# Altium PCB CSU RevA_ASCII.PcbDoc (part 1 of 5) (continued)
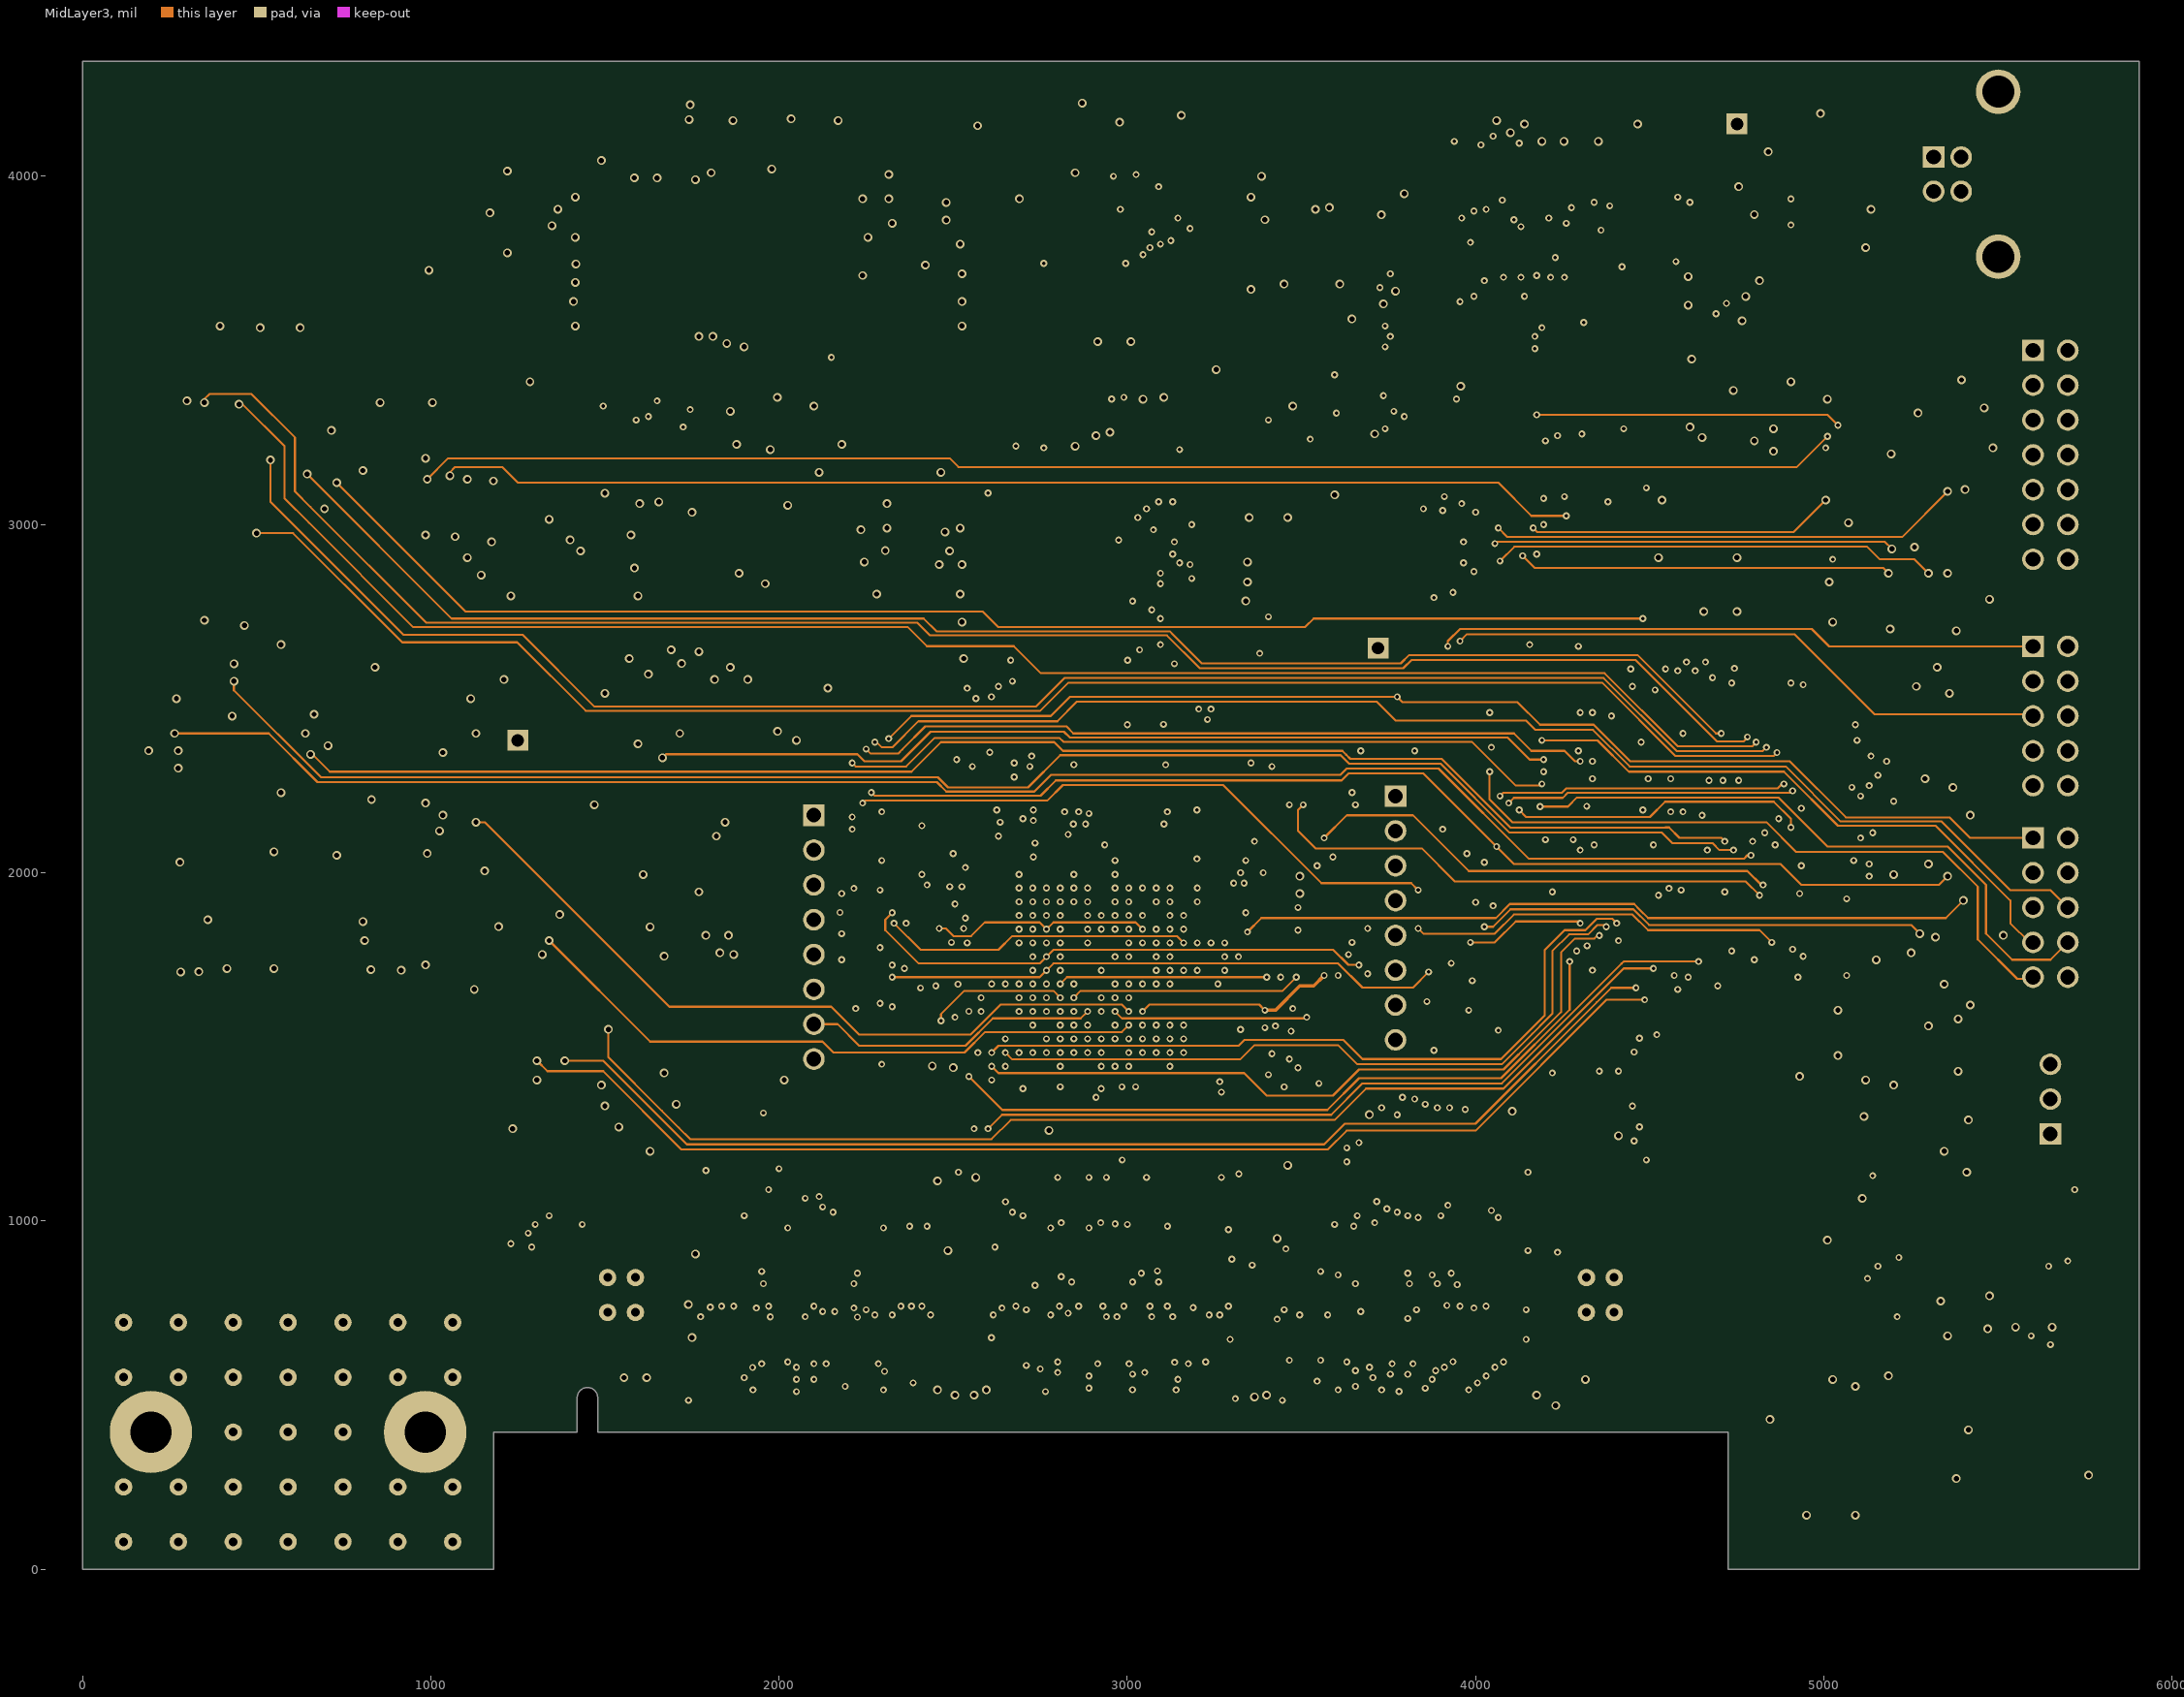
[diagram p7: MidLayer3]

## Layer stack, top to bottom
Top Layer: signal copper 1.4
Dielectric: core 12.6, FR-4, Dk 4.8
InternalPlane1: plane copper 1.4, net GND
Dielectric: prepreg 12.6, FR-4, Dk 4.8
MidLayer1: signal copper 1.4
Dielectric: core 12.6, FR-4, Dk 4.8
InternalPlane2: plane copper 1.4, net VCC
Dielectric: prepreg 12.6, FR-4, Dk 4.8
MidLayer2: signal copper 1.4
Dielectric: core 12.6, FR-4, Dk 4.8
InternalPlane3: plane copper 1.4, net (Multiple Nets)
Dielectric: prepreg 12.6, FR-4, Dk 4.8
MidLayer3: signal copper 1.4
Dielectric: core 12.6, FR-4, Dk 4.8
Bottom Layer: signal copper 1.4

## Board outline
0,0 0,4330.71 5905.51,4330.71 5905.51,0 4724.41,0 4724.41,393.7 1480.31,393.7 1479.51,394.51 1479.51,492.13 ccw(c1449.98,492.13) 1420.45,492.13 1420.45,393.7 1181.1,393.7 1181.1,0

## Design rules (kind name [scope] priority, off if disabled: settings)
Clearance [All] p0: scope1count=1 scope1_0_kind=Board scope1_0_value=Board scope2count=1 scope2_0_kind=Board scope2_0_value=Board commentlength=0 gap=6
Clearance Clearance_1 [All] p0 off: scope1count=1 scope1_0_kind=Board scope1_0_value=Board scope2count=1 scope2_0_kind=Board scope2_0_value=Board commentlength=67 gap=7 // Protel DXP Scope 1 Expression Was: (InComponentClass('PITCH7'))
Clearance Clearance_2 [All] p0 off: scope1count=1 scope1_0_kind=Board scope1_0_value=Board scope2count=1 scope2_0_kind=Board scope2_0_value=Board commentlength=58 gap=6 // Protel DXP Scope 1 Expression Was: (InComponent('U9'))
Clearance Clearance_2 [(InComponent('U9'))] p1: gap=6
Clearance Clearance_1 [(InComponentClass('PITCH7'))] p2: gap=7
Clearance [All] p3: gap=6
ComponentClearance ComponentClearance_3 [All] p0 off: scope1count=1 scope1_0_kind=Board scope1_0_value=Board scope2count=1 scope2_0_kind=Board scope2_0_value=Board commentlength=83 gap=-10 collisioncheckmode=3 // Protel DXP Scope 1 Expression Was: (HasFootprint('fid') AND InComponent('U11'))
ComponentClearance [All] p0: scope1count=1 scope1_0_kind=Board scope1_0_value=Board scope2count=1 scope2_0_kind=Board scope2_0_value=Board commentlength=0 gap=10 collisioncheckmode=3
ComponentClearance ComponentClearance_1 [All] p0 off: scope1count=1 scope1_0_kind=Board scope1_0_value=Board scope2count=1 scope2_0_kind=Board scope2_0_value=Board commentlength=61 gap=0 collisioncheckmode=3 // Protel DXP Scope 2 Expression Was: (HasFootprint('0805'))
ComponentClearance ComponentClearance_2 [All] p0 off: scope1count=1 scope1_0_kind=Board scope1_0_value=Board scope2count=1 scope2_0_kind=Board scope2_0_value=Board commentlength=61 gap=5 collisioncheckmode=3 // Protel DXP Scope 2 Expression Was: (HasFootprint('0603'))
ComponentClearance ComponentClearance_3 [(HasFootprint('fid') AND InComponent('U11'))] p1: gap=-10 collisioncheckmode=3 verticalgap=10
ComponentClearance ComponentClearance_2 [(HasFootprint('0603')) vs (HasFootprint('0603'))] p2: gap=5 collisioncheckmode=3 verticalgap=10
ComponentClearance ComponentClearance_1 [(HasFootprint('0805')) vs (HasFootprint('0805'))] p3: gap=0 collisioncheckmode=3 verticalgap=10
ComponentClearance [All] p4: gap=10 collisioncheckmode=3 verticalgap=10
DiffPairsRouting [All] p0: scope1count=1 scope1_0_kind=Board scope1_0_value=Board scope2count=1 scope2_0_kind=Board scope2_0_value=Board commentlength=0
FanoutControl Fanout_BGA [All] p0 off: scope1count=1 scope1_0_kind=Board scope1_0_value=Board scope2count=1 scope2_0_kind=Board scope2_0_value=Board commentlength=69 // Protel DXP Scope 1 Expression Was: IsBGA   Fanout_BGA (Default Rule)
FanoutControl Fanout_LCC [All] p0 off: scope1count=1 scope1_0_kind=Board scope1_0_value=Board scope2count=1 scope2_0_kind=Board scope2_0_value=Board commentlength=69 // Protel DXP Scope 1 Expression Was: IsLCC   Fanout_LCC (Default Rule)
FanoutControl Fanout_SOIC [All] p0 off: scope1count=1 scope1_0_kind=Board scope1_0_value=Board scope2count=1 scope2_0_kind=Board scope2_0_value=Board commentlength=71 // Protel DXP Scope 1 Expression Was: IsSOIC   Fanout_SOIC (Default Rule)
FanoutControl Fanout_Small [All] p0 off: scope1count=1 scope1_0_kind=Board scope1_0_value=Board scope2count=1 scope2_0_kind=Board scope2_0_value=Board commentlength=84 // Protel DXP Scope 1 Expression Was: (CompPinCount < 5)   Fanout_Small (Default Rule)
FanoutControl Fanout_Default [All] p0: scope1count=1 scope1_0_kind=Board scope1_0_value=Board scope2count=1 scope2_0_kind=Board scope2_0_value=Board commentlength=30 // Fanout_Default (Default Rule)
Height [All] p0: scope1count=1 scope1_0_kind=Board scope1_0_value=Board scope2count=1 scope2_0_kind=Board scope2_0_value=Board commentlength=0
HoleSize [All] p0: scope1count=1 scope1_0_kind=Board scope1_0_value=Board scope2count=1 scope2_0_kind=Board scope2_0_value=Board commentlength=0 absolutevalues=TRUE maxlimit=300 minlimit=1 maxpercent=80.000 minpercent=20.000
HoleSize [All] p1: absolutevalues=TRUE maxlimit=300 minlimit=1 maxpercent=80.000 minpercent=20.000
LayerPairs [All] p0: scope1count=1 scope1_0_kind=Board scope1_0_value=Board scope2count=1 scope2_0_kind=Board scope2_0_value=Board commentlength=0 enforce=TRUE
PasteMaskExpansion [All] p0: scope1count=1 scope1_0_kind=Board scope1_0_value=Board scope2count=1 scope2_0_kind=Board scope2_0_value=Board commentlength=0 expansion=0
PlaneClearance PlaneClearance_1 [All] p0 off: scope1count=1 scope1_0_kind=Board scope1_0_value=Board scope2count=1 scope2_0_kind=Board scope2_0_value=Board commentlength=44 clearance=10 // Protel DXP Scope 1 Expression Was: isvia
PlaneClearance [All] p0: scope1count=1 scope1_0_kind=Board scope1_0_value=Board scope2count=1 scope2_0_kind=Board scope2_0_value=Board commentlength=0 clearance=20
PlaneClearance PlaneClearance_1 [isvia] p1: clearance=10
PlaneClearance [All] p2: clearance=20
PlaneConnect PlaneConnect_1 [All] p0: scope1count=1 scope1_0_kind=Board scope1_0_value=Board scope2count=1 scope2_0_kind=Board scope2_0_value=Board commentlength=0 planeconnectstyle=Relief reliefexpansion=20 reliefentries=4 reliefconductorwidth=10 reliefairgap=10
PlaneConnect [All] p0 off: scope1count=1 scope1_0_kind=Board scope1_0_value=Board scope2count=1 scope2_0_kind=Board scope2_0_value=Board commentlength=44 planeconnectstyle=Direct reliefexpansion=20 reliefentries=4 reliefconductorwidth=10 reliefairgap=10 // Protel DXP Scope 1 Expression Was: isvia
PlaneConnect [isvia] p1: planeconnectstyle=Direct reliefexpansion=20 reliefentries=4 reliefconductorwidth=10 reliefairgap=10
PlaneConnect PlaneConnect_1 [All] p2: planeconnectstyle=Relief reliefexpansion=20 reliefentries=4 reliefconductorwidth=10 reliefairgap=10
PolygonConnect [All] p0: scope1count=1 scope1_0_kind=Board scope1_0_value=Board scope2count=1 scope2_0_kind=Board scope2_0_value=Board commentlength=0 connectstyle=Relief reliefconductorwidth=50 reliefentries=4 polygonreliefangle="90 Angle"
PolygonConnect [All] p1: connectstyle=Relief reliefconductorwidth=50 reliefentries=4 polygonreliefangle="90 Angle"
RoutingCorners [All] p0: scope1count=1 scope1_0_kind=Board scope1_0_value=Board scope2count=1 scope2_0_kind=Board scope2_0_value=Board commentlength=0 cornerstyle=45-Degree minsetback=100 maxsetback=100
RoutingLayers [All] p0: scope1count=1 scope1_0_kind=Board scope1_0_value=Board scope2count=1 scope2_0_kind=Board scope2_0_value=Board commentlength=0 top layer=Automatic mid layer 1=Automatic mid layer 2=Automatic mid layer 3=Automatic bottom layer=Automatic
RoutingPriority [All] p0: scope1count=1 scope1_0_kind=Board scope1_0_value=Board scope2count=1 scope2_0_kind=Board scope2_0_value=Board commentlength=0
RoutingTopology [All] p0: scope1count=1 scope1_0_kind=Board scope1_0_value=Board scope2count=1 scope2_0_kind=Board scope2_0_value=Board commentlength=0 topology=Shortest
RoutingVias [All] p0: scope1count=1 scope1_0_kind=Board scope1_0_value=Board scope2count=1 scope2_0_kind=Board scope2_0_value=Board commentlength=0 holewidth=15 width=25 viastyle="Through Hole" minholewidth=10 minwidth=20 maxholewidth=28 maxwidth=50
RoutingVias [All] p1: holewidth=15 width=25 viastyle="Through Hole" minholewidth=10 minwidth=20 maxholewidth=28 maxwidth=50
ShortCircuit [All] p0: scope1count=1 scope1_0_kind=Board scope1_0_value=Board scope2count=1 scope2_0_kind=Board scope2_0_value=Board commentlength=0 allowed=FALSE
SolderMaskExpansion [All] p0: scope1count=1 scope1_0_kind=Board scope1_0_value=Board scope2count=1 scope2_0_kind=Board scope2_0_value=Board commentlength=0 expansion=4
SolderMaskExpansion [All] p1: expansion=4
TestPointUsage [All] p0: scope1count=1 scope1_0_kind=Board scope1_0_value=Board scope2count=1 scope2_0_kind=Board scope2_0_value=Board commentlength=0 valid=0 allowmultiple=FALSE
TestPointUsage [All] p1: valid=0 allowmultiple=FALSE
Testpoint [All] p0: scope1count=1 scope1_0_kind=Board scope1_0_value=Board scope2count=1 scope2_0_kind=Board scope2_0_value=Board commentlength=0 side=15 testpointundercomponent=TRUE minsize=40 maxsize=100 preferedsize=60 minholesize=0 maxholesize=40 preferedholesize=32 testpointgrid=1 style=1023 order=0123456789
Testpoint [All] p1: side=15 testpointundercomponent=TRUE minsize=40 maxsize=100 preferedsize=60 minholesize=0 maxholesize=40 preferedholesize=32 testpointgrid=1 style=1023 order=0123456789
UnRoutedNet [All] p0: scope1count=1 scope1_0_kind=Board scope1_0_value=Board scope2count=1 scope2_0_kind=Board scope2_0_value=Board commentlength=0
Width [All] p0: scope1count=1 scope1_0_kind=Board scope1_0_value=Board scope2count=1 scope2_0_kind=Board scope2_0_value=Board commentlength=0 maxlimit=200 minlimit=6 preferedwidth=8
Width [All] p1: maxlimit=200 minlimit=6 preferedwidth=8
15 further rules are at their usual default settings.

## Classes and differential pairs
component class PITCH7: U11 U13 U29
component class CSU_FPGA_INTERFACE: C10 C11 C12 C14 C21 C23 C29 C33 C36 C46 C49 C54 C63 C71 C75 C76 C77 C78 C81 C82 C83 C84 C85 C86 C87 C88 C89 C90 C91 C92 C93 C94 C95 C96 C97 C98 C99 C100 C101 C102 C103 C104 C105 C106 C107 C109 C111 C114 C115 C116 C117 C118 C119 C120 C121 C122 C123 C124 C125 C126 C127 C128 C129 C130 C131 C132 C133 C134 C135 C136 C137 C140 C141 C142 D3 D4 J1 J2 J3 J5 JP1 JP2 L6 L7 R2 R19 R20 R21 R23 R33 R34 R35 R36 R37 R38 R43 R44 R45 R46 R47 R48 R49 R50 R51 R52 R53 R54 R55 RN1 RN2 TP2 TP3 U1 U9 U10 U13 U17 U22 U24 U25 U26 U27 U30 U32 U33 U44
component class CSU_MP: C1 C2 C3 C4 C5 C6 C7 C8 C9 C13 C15 C16 C17 C18 C19 C20 C22 C24 C25 C26 C27 C28 C30 C31 C32 C34 C35 C37 C38 C39 C40 C41 C42 C43 C44 C45 C47 C48 C50 C51 C52 C53 C55 C56 C57 C58 C59 C60 C61 C62 C64 C65 C66 C67 C68 C69 C70 C72 C73 C74 C79 C80 C108 C110 C112 C113 C138 D1 D2 D5 J4 J6 J8 L1 L2 L3 L4 L5 R1 R3 R4 R5 R6 R7 R8 R9 R10 R11 R12 R13 R14 R15 R16 R17 R18 R22 R24 R25 R26 R27 R28 R29 R30 R31 R32 R39 R40 R41 R42 R56 R57 R58 RN3 RN4 RN5 TP1 U2 U3 U4 U5 U6 U7 U8 U11 U12 U14 U15 U16 U18 U19 U20 U21 U23 U28 U29

## Components (designator, comment, footprint, x,y, rotation, side; value= is the part's Value field where it differs from the comment)
C1 "10uF 6V" "size a" 4360,1360 r180 top
C2 "1uF" 1206 3535,3060 r270 top
C3 "0.1uF" 0603 4410,1485 r180 top
C4 "0.15uF" 0805 5415,780 r270 top
C5 "0.1uF" 0603 5035,4175 r0 top
C6 "0.15uF" 0805 5490,360 r270 top
C7 "0.1uF" 0603 5300,555 r180 top
C8 "1000pF" 0603 4220,1485 r0 top
C9 "0.1uF" 0603 4700,3535 r0 top
C10 "0.1uF" 0603 5415,2590 r90 top
C11 "0.1uF" 0603 3780,2350 r180 top
C12 "0.1uF" 0603 5450,2050 r90 top
C13 "22uF 10V" "Size B" 4910,3525 r90 top
C14 "10pF" 0603 2420,1820 r180 top
C15 "0.1uF" 0603 3995,4150 r180 top
C16 "0.15uF" 0805 5705,360 r270 top
C17 "0.15uF" 0805 5595,360 r270 top
C18 "0.1uF" 0603 3625,3875 r0 top
C19 "0.15uF" 0805 5415,570 r270 top
C20 "0.1uF" 0603 3625,3635 r0 top
C21 "10pF" 0603 2420,1625 r180 top
C22 "0.1uF" 0603 3640,3305 r0 top
C23 "0.1uF" 0603 3930,1700 r270 top
C24 "0.1uF" 0603 5385,1235 r0 top
C25 "0.1uF" 0603 4000,2940 r90 top
C26 "0.1uF" 0603 4760,3270 r180 top
C27 "0.1uF" 0603 4755,3715 r180 top
C28 "0.1uF" 0603 4410,4150 r180 top
C29 "10uF 6V" "size a" 4030,1375 r270 top
C30 "0.1uF" 0603 4200,4150 r0 top
C31 "10uF 6V" "size a" 4375,985 r180 top
C32 "22uF 10V" "Size B" 3680,4000 r180 top
C33 "0.1uF" 0603 3900,915 r90 top
C34 "0.1uF" 0603 5065,1200 r90 top
C35 "0.1uF" 0603 4255,1120 r0 top
C36 "0.1uF" 0603 3611.89,1340.88 r0 top
C37 "0.01uF" 0603 5065,1065 r90 top
C38 "0.01uF" 0603 4410,1120 r90 top
C39 "0.1uF" 0603 4960,3360 r180 top
C40 "22uF 6V" B-Size 1085,3925 r270 top
C41 "22uF 6V" B-Size 1285,3130 r90 top
C42 "0.1uF" 0603 1220,3895 r0 top
C43 "0.1uF" 0603 1230,2935 r0 top
C44 "0.1uF" 0603 1220,3830 r0 top
C45 "0.1uF" 0603 1230,2865 r0 top
C46 "10pF" 0603 2285,1990 r180 top
C47 "0.1uF" 0603 2055,3315.01 r180 top
C48 "0.1uF" 0603 2005,2350 r180 top
C49 "0.1uF" 0603 230,2300 r90 top
C50 "0.1uF" 0603 2420,3795 r180 top
C51 "0.1uF" 0603 2415,2860 r180 top
C52 "0.1uF" 0603 1815,4200 r0 top
C53 "0.1uF" 0603 1820,3270 r0 top
C54 "10pF" 0603 2410,2095 r180 top
C55 "22uF 6V" B-Size 2460,4160 r180 top
C56 "22uF 6V" B-Size 2465,3230 r180 top
C57 "0.1uF" 0603 2365,3865 r0 top
C58 "0.1uF" 0603 2360,2925 r0 top
C59 "0.1uF" 0603 2365,3935 r0 top
C60 "0.1uF" 0603 2360,2990 r0 top
C61 "0.1uF" 0603 2920,4200 r0 top
C62 "0.1uF" 0603 3000,2350 r0 top
C63 "0.1uF" 0603 1155,1770 r90 top
C64 "0.1uF" 0603 3495,3875 r180 top
C65 "0.1uF" 0603 3400,2835 r90 top
C66 "0.1uF" 0603 3045,3305 r0 top
C67 "0.1uF" 0603 2890,3305 r0 top
C68 "0.1uF" 0603 5025,3000 r270 top
C69 "10uF 6V" "size a" 4855,2640 r0 top
C70 "10uF 6V" "size a" 4510,2650 r180 top
C71 "0.1uF" 0603 1155,1895 r90 top
C72 "0.1uF" 0603 4730,2645 r90 top
C73 "0.1uF" 0603 4655,2700 r270 top
C74 "0.1uF" 0603 5300,2370 r270 top
C75 "0.1uF" 0603 1600,1940 r270 top
C76 "0.1uF" 0603 1600,1760 r90 top
C77 "10uF 6V" "size a" 550,1820 r90 top
C78 "10uF 6V" "size a" 990,1820 r90 top
C79 "0.1uF" 0603 4245,2235 r90 top
C80 "0.1uF" 0603 5200,2055 r0 top
C81 "0.1uF" 0603 2850,2215 r90 top
C82 "0.1uF" 0603 2625,2215 r90 top
C83 "0.1uF" 0603 2720,2215 r90 top
C84 "0.1uF" 0603 2915,2215 r90 top
C85 "0.1uF" 0603 3125,2215 r90 top
C86 "0.1uF" 0603 3060,2215 r90 top
C87 "0.1uF" 0603 3395,2040 r0 top
C88 "0.1uF" 0603 3395,1965 r0 top
C89 "0.1uF" 0603 3395,1900 r0 top
C90 "0.1uF" 0603 3395,1765 r0 top
C91 "0.1uF" 0603 3210,1220 r270 top
C92 "0.1uF" 0603 3280,1220 r270 top
C93 "0.1uF" 0603 3095,1220 r270 top
C94 "0.1uF" 0603 3030,1220 r270 top
C95 "0.1uF" 0603 2805,1220 r270 top
C96 "0.1uF" 0603 2740,1220 r270 top
C97 "0.1uF" 0603 2595,1220 r270 top
C98 "0.1uF" 0603 2410,2030 r180 top
C99 "0.1uF" 0603 2420,1490 r180 top
C100 "0.1uF" 0603 4970,545 r180 top
C101 "10uF 6V" "size a" 280,1810 r90 top
C102 "10uF 6V" "size a" 730,1820 r90 top
C103 "0.1uF" 0603 2410,2175 r180 top
C104 "47uF 6V" "Size B" 4950,430 r270 top
C105 "0.1uF" 0603 405,1865 r270 top
C106 "0.1uF" 0603 850,1860 r270 top
C107 "47uF 6V" "Size B" 5090,430 r270 top
C108 "0.1uF" 0603 5390,1670 r0 top
C109 "10uF 6V" "size a" 2565,1050 r270 top
C110 "0.47uF" 0805 4670,1610 r180 top
C111 "10uF 6V" "size a" 3395,1175 r270 top
C112 "10uF 6V" "size a" 4820,1605 r0 top
C113 "0.1uF" 0603 4695,1725 r0 top
C114 "0.1uF" 0603 2995,1720 r0 bottom
C115 "0.1uF" 0603 2635,1740 r0 bottom
C116 "0.1uF" 0603 2895,1740 r180 bottom
C117 "0.1uF" 0603 3040,2075 r90 bottom
C118 "0.1uF" 0603 3215,1759.09 r180 bottom
C119 "0.1uF" 0603 3125,1640 r180 bottom
C120 "0.1uF" 0603 3255,1500 r180 bottom
C121 "0.1uF" 0603 2630,1555 r0 bottom
C122 "0.1uF" 0603 3255,1435 r180 bottom
C123 "0.1uF" 0603 2845,1865 r270 bottom
C124 "0.1uF" 0603 2925,1975 r270 bottom
C125 "0.1uF" 0603 2930,1675 r180 bottom
C126 "10uF 6V" "size a" 2380,1370 r270 top
C127 "10uF 6V" "size a" 3565,1800 r90 top
C128 "0.1uF" 0603 3450,1835 r180 top
C129 "0.1uF" 0603 2973,1805 r180 bottom
C130 "0.1uF" 0603 3450,1660 r180 top
C131 "0.1uF" 0603 3160,1970 r270 bottom
C132 "0.1uF" 0603 2365,1555 r0 top
C133 "0.1uF" 0603 2650,1960 r270 bottom
C134 "0.1uF" 0603 2365,1890 r0 top
C135 "0.1uF" 0603 3040,2010 r0 bottom
C136 "10uF 6V" "size a" 3245,2240 r0 top
C137 "0.1uF" 0603 2000,1310 r90 top
C138 "0.1uF" 0603 5385,1475 r90 top
C140 "0.1uF" 0603 1210,2500 r180 top
C141 "0.1uF" 0603 840,2635 r180 top
C142 "0.1uF" 0603 1545,1335 r90 top
D1 "MMBD914" SOT23A 3655,2845 r0 top (schematic designator D2)
D2 "SML10G4-TR" "LED J-LEAD" 3515,3520 r270 top (schematic designator D3)
D3 "BAT54C-V" BAT54C-V 2365,1760 r270 top
D4 "BAT54C-V" BAT54C-V 2215,2080 r0 top
D5 "SML10G4-TR" "LED J-LEAD" 4360,2800 r0 top
J1 "QMS_EDGE_PWR_PINS" "QMS EDGE PWR PINS" 2952.76,393.7 r90 top locked
J2 "QMSS-078-01-X-D-EM2-PC4" "QMS SMD PWR PINS" 2952.76,787.4 r180 bottom locked
J3 "AMP5103310-01" HEADER5X2 5600,2100 r270 top (schematic designator J6)
J4 "USB_B" "USB_B right angle" 5314.96,4055.12 r90 top (schematic designator J3)
J5 "HEADER5X2" HEADER5X2 5600,2650 r270 top (schematic designator J6)
J6 "AMP5103310-02" HDR2X7 5600,3500 r270 top
J8 "CON3" "Molex 70543-0002" 5650,1250 r180 top (schematic designator J10)
JP1 "HEADER8X1" HEADER8X1 3770,2220 r90 top (schematic designator JP2)
JP2 "Header 5" HEADER8X1 2100,2165 r90 top
L1 "56uHn" 1812 5260,255 r90 top
L2 "600R" 1206 5075,4070 r180 top
L3 "56uHn" 1812 5105,3715 r270 top
L4 "56uHn" 1812 5535,980 r0 top
L5 "600R" 1206 4175,1215 r0 top
L6 "MSS7341-332NL" MSS7341 4830,765 r90 top
L7 "56uHn" 1812 3585,1650 r270 top
R1 "10K" 0603 3635,3085 r0 top
R2 "24R9" 0603 4245,2360 r90 top
R3 "100K" 0603 3690,3150.01 r180 top
R4 "390R" 0805 3530,3735 r270 top
R5 "22R" 0603 4940,2935 r270 top
R6 "22R" 0603 4940,3060 r90 top
R7 "1K" 0603 3680,3540 r180 top
R8 "1K" 0603 3625,3475 r0 top
R9 "10K" 0603 4755,3920 r180 top
R10 "10K" 0603 3640,3215 r0 top
R11 "1K" 0603 4760,3335 r180 top
R12 "22R" 0603 4225,1670 r270 top
R13 "10K" 0603 5220,770 r90 top
R14 "100K" 0603 5410,1095 r180 top
R15 "36K" 0603 5290,770 r90 top
R16 "22R" 0603 4155,1670 r270 top
R17 "10K" 0603 4700,3845 r0 top
R18 "100K" 0603 5280,1095 r180 top
R19 "220R" 0603 2880.01,1165 r90 top
R20 "330R" 0603 2945,1165 r90 top
R21 "10K" 0603 4040,1700 r270 top
R22 "22R" 0603 4705,3205 r0 top
R23 "100R" 0603 3590,1170 r90 top
R24 "22R" 0603 5065,1405 r270 top
R25 "3K" 0603 1275,3965 r180 top
R26 "3K" 0603 1230,3015 r0 top
R27 "3K" 0603 2365,4005 r0 top
R28 "3K" 0603 2410,3060 r180 top
R29 "390R" 0805 4220,2770 r270 top
R30 "1K" 0603 5230,2315 r90 top
R31 "10K" 0603 5255,2645 r270 top
R32 "100K" 0603 5370,2315 r90 top
R33 "390R" 0805 350,2815 r90 top
R34 "390R" 0805 465,2815 r90 top
R35 "390R" 0805 580,2815 r90 top
R36 "390R" 0805 625,3500 r270 top
R37 "390R" 0805 510,3500 r270 top
R38 "390R" 0805 395,3500 r270 top
R39 "1K02" 0603 5300,2490 r270 top
R40 "1K78" 0603 5230,2435 r90 top
R41 "1K10" 0603 4020,1545 r270 top
R42 "1K02" 0603 3930,1495 r90 top
R43 "22R" 0603 2995,2215 r90 top
R44 "1K0" 0805 1130,2280 r180 top
R45 "150R" 0805 1000,2740 r0 top